# Altium PCB PCB1.PcbDoc (continued)
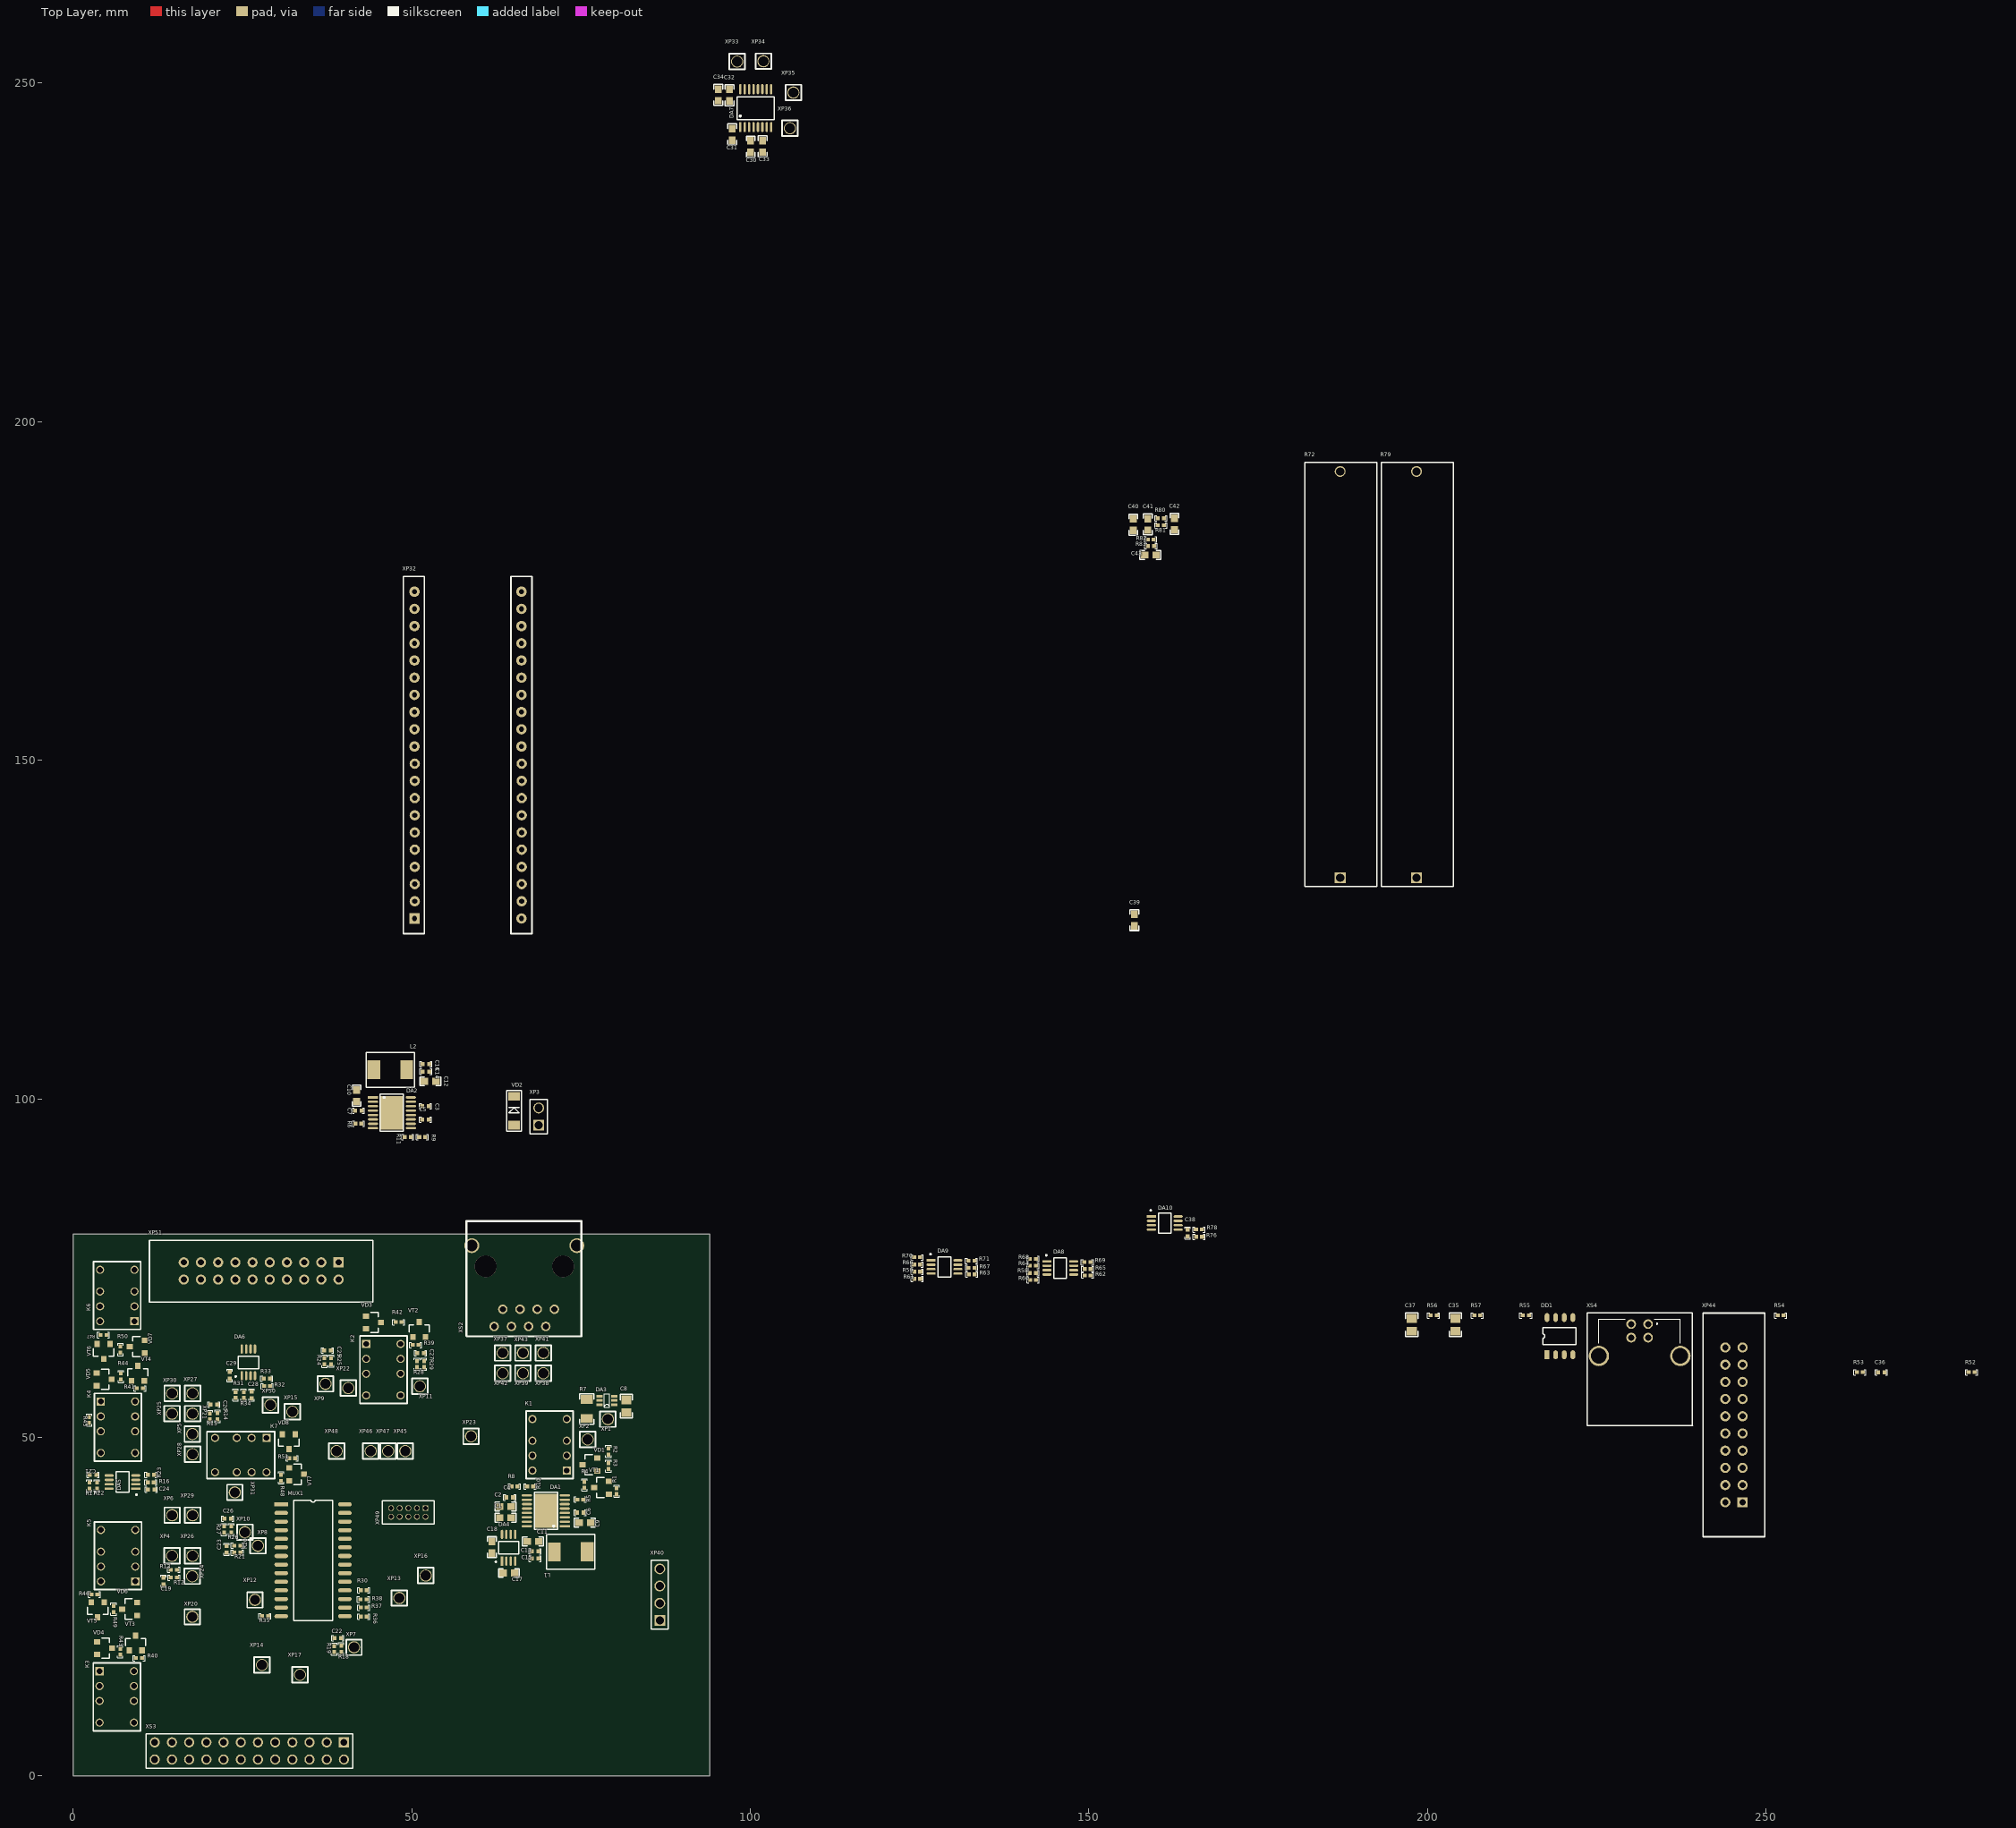
[diagram p0: Top Layer view]
## Components (designator, comment, footprint, x,y, rotation, side; value= is the part's Value field where it differs from the comment) (continued)
XP8 "PB" "POGO PIN P100-A2/B1" 27.277,34.003 r180 top (schematic designator XP7)
XP9 "PB" "POGO PIN P100-A2/B1" 37.263,57.919 r270 top (schematic designator XP8)
XP10 "PB" "POGO PIN P100-A2/B1" 25.356,35.995 r270 top (schematic designator XP9)
XP11 "PB" "POGO PIN P100-A2/B1" 51.197,57.54 r270 top (schematic designator XP10)
XP12 "PB" "POGO PIN P100-A2/B1" 26.85,26.007 r0 top (schematic designator XP11)
XP13 "PB" "POGO PIN P100-A2/B1" 48.17,26.275 r0 top (schematic designator XP12)
XP14 "PB" "POGO PIN P100-A2/B1" 27.881,16.4 r0 top (schematic designator XP13)
XP15 "PB" "POGO PIN P100-A2/B1" 32.371,53.777 r0 top (schematic designator XP14)
XP16 "PB" "POGO PIN P100-A2/B1" 52.077,29.596 r0 top (schematic designator XP15)
XP17 "PB" "POGO PIN P100-A2/B1" 33.491,14.95 r0 top (schematic designator XP16)
XP20 "PA" "POGO PIN P100-A2/B1" 17.6,23.5 r0 top
XP21 "PA" "POGO PIN P100-A2/B1" 17.621,53.5 r0 top
XP22 "PA" "POGO PIN P100-A2/B1" 40.625,57.275 r0 top (schematic designator XP19)
XP23 "PA" "POGO PIN P100-A2/B1" 58.763,50.169 r0 top (schematic designator XP18)
XP24 "PA" "POGO PIN P100-A2/B1" 17.579,29.5 r0 top (schematic designator XP22)
XP25 "PA" "POGO PIN P100-A2/B1" 14.6,53.5 r0 top (schematic designator XP23)
XP26 "PA" "POGO PIN P100-A2/B1" 17.621,32.5 r0 top (schematic designator XP24)
XP27 "PB" "pogo pin P100-A2/B1" 17.621,56.5 r0 top (schematic designator XP25)
XP28 "PA" "POGO PIN P100-A2/B1" 17.621,47.5 r0 top (schematic designator XP26)
XP29 "PA" "POGO PIN P100-A2/B1" 17.621,38.5 r0 top (schematic designator XP27)
XP30 "PB" "pogo pin P100-A2/B1" 14.621,56.5 r0 top (schematic designator XP28)
XP31 "PA" "POGO PIN P100-A2/B1" 23.875,41.875 r270 top (schematic designator XP29)
XP32 "STM32F411CEU6 Black Pill" "Black pill STM32F411CEU6" 50.4,126.635 r90 top (schematic designator XP30)
XP33 "PA" "POGO PIN P100-A2/B1" 98.05,253.175 r0 top (schematic designator XP31)
XP34 "PA" "POGO PIN P100-A2/B1" 101.925,253.225 r0 top (schematic designator XP32)
XP35 "PA" "POGO PIN P100-A2/B1" 106.35,248.6 r0 top (schematic designator XP33)
XP36 "PA" "POGO PIN P100-A2/B1" 105.85,243.325 r0 top (schematic designator XP34)
XP37 "PA" "POGO PIN P100-A2/B1" 63.42,62.472 r0 top (schematic designator XP35)
XP38 "PA" "POGO PIN P100-A2/B1" 69.42,59.472 r0 top (schematic designator XP36)
XP39 "PA" "POGO PIN P100-A2/B1" 66.42,59.472 r0 top (schematic designator XP37)
XP40 "PLS-4" PLS-4 86.625,26.775 r90 top (schematic designator XP47)
XP41 "PA" "POGO PIN P100-A2/B1" 69.42,62.472 r0 top (schematic designator XP38)
XP42 "PA" "POGO PIN P100-A2/B1" 63.42,59.472 r0 top (schematic designator XP39)
XP43 "PA" "POGO PIN P100-A2/B1" 66.42,62.472 r0 top (schematic designator XP40)
XP44 "BH-20" BH-20 245.249,51.849 r90 top (schematic designator XP49)
XP45 "PA" "POGO PIN P100-A2/B1" 49.051,47.975 r0 top (schematic designator XP41)
XP46 "PA" "POGO PIN P100-A2/B1" 43.95,47.975 r0 top (schematic designator XP42)
XP47 "PA" "POGO PIN P100-A2/B1" 46.511,47.975 r0 top (schematic designator XP43)
XP48 "PA" "POGO PIN P100-A2/B1" 38.891,47.975 r0 top (schematic designator XP44)
XP49 "20021111-00010T4LF" 20021111-00010T4LF 52.03,38.28 r180 top (schematic designator XP48)
XP50 "PB" "POGO PIN P100-A2/B1" 29.141,54.8 r0 top (schematic designator XP17)
XP51 "BH-20" BH-20 27.76,74.58 r180 top (schematic designator XP50)
XS2 "DS1126" DS1126 71.065,68.925 r180 top
XS3 "PLD-24" PLD-24 26.02,3.695 r180 top
XS4 "USB B" 292304-1 231.323,62.025 r0 top
К1 "HFD4/5" DIP-8 72.9,45.1 r180 top
К2 "HFD4/5" DIP-8 43.27,63.8 r0 top
К3 "HFD4/5" DIP-8 3.895,15.475 r0 top
К4 "HFD4/5" DIP-8 4.07,55.3 r0 top
К5 "HFD4/5" DIP-8 9.177,28.725 r180 top
К6 "HFD4/5" DIP-8 9.05,67.15 r180 top
К7 "HFD4/5" DIP-8 28.55,49.93 r270 top

## Footprints (in the part's own frame and the unit in brackets; to place one, negate y for a bottom-side part, rotate by r counter-clockwise, add the part's x,y. Pads: shape width x height; smd on the part's side, far side on the other; paste and mask are expansions set on the pad)
0402C [mm]
  rect 0.6x0.6 smd: 1(-0.5,0) 2(0.5,0)
  silkscreen extent -0.9,-0.4 0.9,0.4, body extent -0.73,-0.25 0.73,0.25, height 0.51
0603C [mm]
  rect 1.1x1 smd: 1(-0.85,0) 2(0.85,0)
  silkscreen extent -1.55,-0.65 1.55,0.65, body extent -1.23,-0.42 1.23,0.38, height 0.8
0805C [mm]
  rect 1.3x1.5 smd: 1(-0.95,0) 2(0.95,0)
  silkscreen extent -1.75,-0.9 1.75,0.9, body extent -1.35,-0.63 1.45,0.62, height 0.8
292304-1 [mm]
  round 1.428 hole 0.92: 1(1.25,4.71) 2(-1.25,4.71) 3(-1.25,2.71) 4(1.25,2.71)
  round 3 hole 2.3: 5(-6.02,0) 6(6.02,0)
  silkscreen extent -7.75,-10.29 7.87,6.35, body extent -7.27,-10.25 7.32,6.25, height 11.28
20021111-00010T4LF [mm]
  rect 0.85x0.85 hole 0.65: 1(0,-1.27)
  round 0.85 hole 0.65: 2(0,0) 3(1.27,-1.27) 4(1.27,0) 5(2.54,-1.27) 6(2.54,0) 7(3.81,-1.27) 8(3.81,0) 9(5.08,-1.27) 10(5.08,0)
  silkscreen extent -1.27,-2.35 6.35,1.08
BH-20 [mm]
  rect 1.5x1.5 hole 0.9: 1(-11.43,-1.27)
  round 1.5 hole 0.9: 2(-11.43,1.27) 3(-8.89,-1.27) 4(-8.89,1.27) 5(-6.35,-1.27) 6(-6.35,1.27) 7(-3.81,-1.27) 8(-3.81,1.27) 9(-1.27,-1.27) 10(-1.27,1.27) 11(1.27,-1.27) 12(1.27,1.27) 13(3.81,-1.27) 14(3.81,1.27) 15(6.35,-1.27) 16(6.35,1.27) 17(8.89,-1.27) 18(8.89,1.27) 19(11.43,-1.27) 20(11.43,1.27)
  silkscreen extent -16.52,-4.54 16.53,4.57, body extent -16.49,-4.55 16.53,4.55, height 8.75
"Black pill STM32F411CEU6" [mil]
  rect 60x60 hole 30: 1(0,0)
  round 60 hole 30: 1(0,-622.05) 2(100,-1.57) 2(100,-623.62) 3(200,-1.57) 3(200,-623.62) 4(300,-1.57) 4(300,-623.62) 5(400,-1.57) 5(400,-623.62) 6(500,-1.57) 6(500,-623.62) 7(600,-623.62) 7(600,-1.57) 8(700,-623.62) 8(700,-1.57) 9(800,-623.62) 9(800,-1.57) 10(900,-623.62) 10(900,-1.57) 11(1000,-622.05) 11(1000,0) 12(1100,-622.05) 12(1100,0) 13(1200,-622.05) 13(1200,0) 14(1300,-622.05) 14(1300,0) 15(1400,-622.05) 15(1400,0) 16(1500,-622.05) 16(1500,0) 17(1600,-622.05) 17(1600,0) 18(1700,-622.05) 18(1700,0) 19(1800,-622.05) 19(1800,0) 20(1900,-622.05) 20(1900,0)
  silkscreen extent -89,-683 1989,65
DIP-8 [mm]
  rect 1.2x1.2 hole 0.85: 1(0,0)
  round 1.2 hole 0.85: 2(0,-2.2) 3(0,-4.4) 4(0,-7.6) 5(5.08,-7.6) 6(5.08,-4.4) 7(5.08,-2.2) 8(5.08,0)
  silkscreen extent -0.92,-8.8 6.02,1.2, body extent -0.47,-8.83 5.53,1.18, height 5.66
DS1126 [mm] "RJ-45 Sheilded Connector"
  round 1.4 hole 0.9: 1(0,0) 2(1.27,2.54) 3(2.54,0) 4(3.81,2.54) 5(5.08,0) 6(6.35,2.54) 7(7.62,0) 8(8.89,2.54)
  round 2.2 hole 1.7: 9(-3.305,-9.4) 10(12.195,-9.4)
  round 3.25 hole 3.25 unplated: 11(10.16,-6.35) 12(-1.27,-6.35)
  silkscreen extent -4,-13 13,4
IHLP2020CZ-01 [mm]
  rect 1.905x2.79 smd: 1(0,0) 2(4.851,0.025)
  silkscreen extent -1.16,-2.59 6,2.59, body extent -0.25,-2.57 5.2,2.58, height 1.95
MSOP-8 [mm] "8-Lead Mini Small Outline Package [MSOP]"
  rect 0.35x1.35 smd: 1(0,0)
  oval 0.35x1.35 smd: 2(0.65,0) 3(1.3,0) 4(1.95,0) 5(1.95,3.95) 6(1.3,3.95) 7(0.65,3.95) 8(0,3.95)
  silkscreen extent -0.97,-0.17 2.5,2.9, body extent -0.5,-0.45 2.5,4.45, height 0.95
PLD-24 [mm]
  rect 1.5x1.5 hole 1: 1(-13.97,-1.27)
  round 1.5 hole 1: 2(-13.97,1.27) 3(-11.43,-1.27) 4(-11.43,1.27) 5(-8.89,-1.27) 6(-8.89,1.27) 7(-6.35,-1.27) 8(-6.35,1.27) 9(-3.81,-1.27) 10(-3.81,1.27) 11(-1.27,-1.27) 12(-1.27,1.27) 13(1.27,-1.27) 14(1.27,1.27) 15(3.81,-1.27) 16(3.81,1.27) 17(6.35,-1.27) 18(6.35,1.27) 19(8.89,-1.27) 20(8.89,1.27) 21(11.43,-1.27) 22(11.43,1.27) 23(13.97,-1.27) 24(13.97,1.27)
  silkscreen extent -15.24,-2.54 15.24,2.54, body extent -15.24,-2.54 15.24,2.54, height 8.6
PLS-2 [mm]
  rect 1.6x1.6 hole 1.2: 1(-1.27,0)
  round 1.6 hole 1.2: 2(1.27,0)
  silkscreen extent -2.54,-1.27 2.54,1.27, body extent -2.54,-1.27 2.54,1.27, height 8.54
PLS-4 [mm]
  rect 1.6x1.6 hole 1.2: 1(-3.81,0)
  round 1.6 hole 1.2: 2(-1.27,0) 3(1.27,0) 4(3.81,0)
  silkscreen extent -5.08,-1.27 5.08,1.27, body extent -5.08,-1.27 5.08,1.27, height 9.2
"POGO PIN P100-A2/B1" [mm]
  round 1.8 hole 1.5: 1(0,0)
  silkscreen extent -1.15,-1.15 1.15,1.15, body extent -0.69,-0.7 0.7,0.7, height 33.35
"pogo pin P100-A2/B1" [mm]
  round 1.8 hole 1.5: 1(0,0)
  silkscreen extent -1.15,-1.15 1.15,1.15, body extent -0.69,-0.7 0.7,0.7, height 33.35
R0402 [mm] "Resistor 0402"
  rect 0.6x0.55 smd: 1(-0.45,0) 2(0.45,0)
  silkscreen extent -0.9,-0.4 0.9,0.4, body extent -0.73,-0.25 0.73,0.25, height 0.51
R1206 [mm]
  rect 1.3x1.8 smd: 1(-1.4,0) 2(1.4,0)
  silkscreen extent -2.22,-1.05 2.25,1.05, body extent -2.27,-0.8 2.27,0.8, height 1.25
SC-70-6 [mm]
  rect 0.4x0.9 smd: 1(-0.65,-1.1) 2(0,-1.1) 3(0.65,-1.1) 4(0.65,1.1) 5(0,1.1) 6(-0.65,1.1)
  silkscreen extent -1,-0.4 1,0.4, body extent -1,-1.05 1,1.05, height 0.92
SMA-FL [mm]
  rect 1.3x1.76 smd: 1(-2.13,0) 2(2.13,0)
  silkscreen extent -3,-1.1 3,1.1, body extent -2.55,-1.3 2.55,1.3, height 1.2
SOIC-28 [mm]
  rect 2x0.6 smd: 1(-4.7,8.255)
  oval 2x0.6 smd: 2(-4.7,6.985) 3(-4.7,5.715) 4(-4.7,4.445) 5(-4.7,3.175) 6(-4.7,1.905) 7(-4.7,0.635) 8(-4.7,-0.635) 9(-4.7,-1.905) 10(-4.7,-3.175) 11(-4.7,-4.445) 12(-4.7,-5.715) 13(-4.7,-6.985) 14(-4.7,-8.255) 15(4.7,-8.255) 16(4.7,-6.985) 17(4.7,-5.715) 18(4.7,-4.445) 19(4.7,-3.175) 20(4.7,-1.905) 21(4.7,-0.635) 22(4.7,0.635) 23(4.7,1.905) 24(4.7,3.175) 25(4.7,4.445) 26(4.7,5.715) 27(4.7,6.985) 28(4.7,8.255)
  silkscreen extent -2.86,-8.89 2.87,8.89, body extent -5.33,-9.07 5.28,9.03, height 2.61
SOP8 [mm]
  rect 1.3x0.7 smd: 1(0,0)
  oval 1.3x0.7 smd: 2(0,-1.27) 3(0,-2.54) 4(0,-3.81) 5(5.5,-3.81) 6(5.5,-2.54) 7(5.5,-1.27) 8(5.5,0)
  silkscreen extent 1.48,-4.29 4.02,0.64, body extent -0.24,-4.27 5.74,0.62, height 1.57
SOT-23-3 [mm]
  rect 0.9x0.8 smd: 1(-1.1,0.95) 2(-1.1,-0.95) 3(1.1,0)
  silkscreen extent -0.4,-1.5 0.7,1.5, body extent -1.4,-1.45 1.4,1.45, height 1.3
SQP-10 [mm]
  rect 1.6x1.6 hole 1.2: 1(-1.27,0)
  round 1.6 hole 1.2: 2(58.725,0)
  silkscreen extent -2.54,-5.43 60.08,5.2, body extent -1.62,-4.82 59.18,4.68, height 9
TSSOP-16 [mm] "16-Lead Thin Shrink Small Outline Package [TSSOP]"
  rect 0.35x1.5 smd: 1(-2.275,-2.8)
  oval 0.35x1.5 smd: 2(-1.625,-2.8) 3(-0.975,-2.8) 4(-0.325,-2.8) 5(0.325,-2.8) 6(0.975,-2.8) 7(1.625,-2.8) 8(2.275,-2.8) 9(2.275,2.8) 10(1.625,2.8) 11(0.975,2.8) 12(0.325,2.8) 13(-0.325,2.8) 14(-0.975,2.8) 15(-1.625,2.8) 16(-2.275,2.8)
  silkscreen extent -2.77,-1.73 2.73,1.7, body extent -2.5,-3.2 2.5,3.2, height 1.1
TSSOP-17 [mm] "16+1-Lead Thin Shrink Small Outline Package [TSSOP]"
  rect 0.35x1.5 smd: 1(-2.275,-2.8)
  oval 0.35x1.5 smd: 2(-1.625,-2.8) 3(-0.975,-2.8) 4(-0.325,-2.8) 5(0.325,-2.8) 6(0.975,-2.8) 7(1.625,-2.8) 8(2.275,-2.8) 9(2.275,2.8) 10(1.625,2.8) 11(0.975,2.8) 12(0.325,2.8) 13(-0.325,2.8) 14(-0.975,2.8) 15(-1.625,2.8) 16(-2.275,2.8)
  rect 5x3.4 smd: 17(0,0)
  silkscreen extent -2.77,-1.73 2.73,1.7, body extent -2.5,-3.2 2.5,3.2, height 1.1

## Part data
C1 C2: library part "C0603-22uF 10% 50V", "C0603-22uF 10% 50V", Part Number="SMD CAP CER 2.2uF ±10% 50V X7R 0603", Mount=MOUNT, MountType=SMD, Pkg=0603, Solder_Amount=2
C3 C13 C14 C15 C16 C19 C20 C22 C23 C25 C26 C27 C38: library part "C0402-100nF 10% 50V", "C0402-100nF 10% 50V", Part Number="SMD CAP CER 100nF ±10% 50V X5R 0402", Added_by=Rutel@Mail.ru, Created_at=27/03/2020, Mount=MOUNT, MountType=SMD, Pkg=0402, Solder_Amount=2
C4 C5 C21 C24 C28 C29: library part "C0402-10nF 10% 50V", "C0402-10nF 10% 50V", Part Number="SMD CAP CER 10nF ±10% 50V X5R 0402", Added_by=Rutel@Mail.ru, Created_at=27/03/2020, Mount=MOUNT, MountType=SMD, Pkg=0402, Solder_Amount=2
C6 C7 C36: library part "C0402-10UF 10% 10V", "C0402-10UF 10% 10V", Part Number="SMD CAP CER 10UF ±10% 10V X5R 0402", Added_by=Rutel@Mail.ru, Created_at=27/03/2020, Mount=MOUNT, MountType=SMD, Pkg=0402, Solder_Amount=2
C8 C35 C37: library part "C0805-0.1UF 10% 50V", "C0805 0.1UF 10% 50V", Part Number="SMD CAP CER 0.1UF ±10% 50V X7R 0805", Added_by=anton@teslatec.ru, Created_at=10/01/2023, Mount=MOUNT, MountType=SMD, Pkg=0805, Solder_Amount=2
C9 C10 C17 C18 C39 C40 C41 C42 C43: library part "C0603-1uF 10% 50V", "C0603-1uF 10% 50V", Part Number="SMD CAP CER 1uF ±10% 50V X7R 0603", Added_by=grebelny_av@teslatec.ru, Created_at=22/06/2021, Mount=MOUNT, MountType=SMD, Pkg=0603, Solder_Amount=2
C11 C12: library part "C1210-100UF 10% 16V", "C1210-100UF 10% 16V", Part Number="SMD CAP CER 100UF ±10% 16V X7R 1210", Mount=MOUNT, MountType=SMD, Pkg=1210, Solder_Amount=2
C30 C31 C32 C33 C34: library part "C0603-4.7UF 10% 25V", "C0603-4.7UF 10% 25V", Part Number="SMD CAP CER 4.7UF ±10% 25V X5R 0603", Mount=MOUNT, MountType=SMD, Pkg=0603, Solder_Amount=2
DA1 DA2: "LM43603PWPR 3.5-V to 36-V, 3-A Synchronous Step-Down Voltage Converter", Added_by=irdolgopolowa@yandex.ru, Created_at=29/10/24, Mount=MOUNT, MountType=SMD, Part Number=LM43603PWPR, Pkg="MSE 16", Solder_Amount=17
DA3: "26V, 14kHz, bi-directional, package SC70-6, -40 to 125", Added_by=ridel_av@teslatec.ru, Created_at=02/02/2022, Mount=MOUNT, MountType=SMD, Part Number=INA210AIDCKT, Pkg=SC70-6, Solder_Amount=6
DA4: "5V 500 mA, Low Dropout, / CMOS Linear Regulator", Added_by=irdolgopolowa@yandex.ru, Created_at=29/10/24, Mount=MOUNT, MountType=SMD, Part Number=ADP3333ARMZ-5, Pkg="8-Lead MSOP", Solder_Amount=8
DA5 DA6 DA8 DA9 DA10: "High Performance, 145 MHz FastFET Op Amps", Added_by=irdolgopolowa@yandex.ru, Created_at=29/10/24, Mount=MOUNT, MountType=SMD, Part Number=AD8066ARMZ, Pkg=MSOP-8, Solder_Amount=8
DA7: "Low Power, 3.3 V, RS-232 / Line Drivers/Receivers", Added_by=irdolgopolowa@yandex.ru, Created_at=29/10/24, Mount=MOUNT, MountType=SMD, Part Number=ADM3202ARU, Pkg=TSSOP-16, Solder_Amount=16
DD1: "USB to Serial Port Chip CH340, SOP-8", Added_by=irdolgopolowa@yandex.ru, Created_at=29/10/24, Mount=MOUNT, MountStyle=SMD, Part Number=CH340N, Pkg=SOIC-8
L1 L2: "FIXED IND 3.3UH 3.3A 79 MOHM SMD", Added_by=Rutel@teslatec.ru, Created_at=14/05/2020, Mount=MOUNT, MountType=SMD, Part Number=IHLP2020BZER3R3M01, Pkg=IHLP-2020BZ-01, Solder_Amount=2
MUX1: "MPC506AU, Ch: 16, SO28", Package=SOIC, Part Number=MPC506A, Added_by=irdolgopolowa@yandex.ru, Created_at=29/10/2024, Mount=Mount, MountType=SMD/SMT, Solder Amount=28
R1 R39 R40 R41 R46 R47 R48: library part R0402-1K, "Resistor SMD 1K 1% 0402", Part Number="SMD RES 1 KOHM 1% ±100ppm/°C 0402", Added_by=irdolgopolowa@yandex.ru, Created_at=29/10/24, Mount=MOUNT, MountType=SMD, Pkg=0402, Solder_Amount=2
R2 R12 R14 R16 R17 R18 R20 R22 R24 R26 R28 R31 R32 R33 R80 R82: library part R0402-100K, "Resistor SMD 100K 1% 0402", Part Number="SMD RES 100 KOHM 1% ±100ppm/°C 0402", Added_by=Rutel@teslatec.ru, Created_at=21/04/2020, Mount=MOUNT, MountType=SMD, Pkg=0402, Solder_Amount=2
R3 R76: library part R0402-20K, "Resistor SMD 20K 1% 0402", Part Number="SMD RES 20 KOHM 1% ±100ppm/°C 0402", Added_by=Rutel@teslatec.ru, Created_at=21/04/2020, Mount=MOUNT, MountType=SMD, Pkg=0402, Solder_Amount=2
R4 R42 R43 R44 R49 R50 R51: library part R0402-24R, "Resistor SMD 24R 1% 0402", Part Number="SMD RES 24R OHM 1% ±100ppm/°C 0402", Added_by=Rutel@teslatec.ru, Created_at=21/04/2020, Mount=MOUNT, MountType=SMD, Pkg=0402, Solder_Amount=2
R5: library part R0402-18.2K, "Resistor SMD 18.2K 1% 0402", Part Number="SMD RES 18.2 KOHM 1% ±100ppm/°C 0402", Added_by=Rutel@teslatec.ru, Created_at=21/04/2020, Mount=MOUNT, MountType=SMD, Pkg=0402, Solder_Amount=2
R6 R23 R30 R34 R35 R36 R37 R38 R45 R52 R53 R54 R58 R59 R60 R61 R62 R63 R64 R65 R66 R67 R68 R69 R70 R71 R73 R74 R75 R77 R78: library part R0402-10K, "Resistor SMD 10K 1% 0402", Part Number="SMD RES 10 KOHM 1% ±100ppm/°C 0402", Added_by=Rutel@teslatec.ru, Created_at=21/04/2020, Mount=MOUNT, MountType=SMD, Pkg=0402, Solder_Amount=2
R7: library part R1206-0.018R, "Resistor SMD 0.018R 1% 1206", Part Number="TL2BR018F SMD RES 0.018 OHM 1% ±75ppm/°C 1206", Added_by=irdolgopolowa@yandex.ru, Created_at=07/11/2024, Mount=MOUNT, MountType=SMD, Pkg=1206, Solder_Amount=2
R8: library part R0402-8.2K, "Resistor SMD 8.2K 1% 0402", Part Number="SMD RES 8.2 KOHM 1% ±100ppm/°C 0402", Added_by=Rutel@teslatec.ru, Created_at=21/04/2020, Mount=MOUNT, MountType=SMD, Pkg=0402, Solder_Amount=2
R9: library part R0402-1.2K, "Resistor SMD 1.2K 1% 0402", Part Number="SMD RES 1.2 KOHM 1% ±100ppm/°C 0402", Added_by=Rutel@teslatec.ru, Created_at=21/04/2020, Mount=MOUNT, MountType=SMD, Pkg=0402, Solder_Amount=2
R10: library part R0402-40.2K, "Resistor SMD 40.2K 1% 0402", Part Number="SMD RES 40.2K KOHM 1% ±100ppm/°C 0402", Added_by=ridel_av@teslatec.ru, Created_at=15/12/2021, Mount=MOUNT, MountType=SMD, Pkg=0402, Solder_Amount=2
R11: library part R0402-2.7K, "Resistor SMD 2.7K 1% 0402", Part Number="SMD RES 2.7 KOHM 1% ±100ppm/°C 0402", Added_by=Rutel@teslatec.ru, Created_at=21/04/2020, Mount=MOUNT, MountType=SMD, Pkg=0402, Solder_Amount=2
R13 R15 R19 R21 R25 R27 R29 R81 R83: library part R0402-56K, "Resistor SMD 56K 1% 0402", Part Number="SMD RES 56K KOHM 1% ±100ppm/°C 0402", Added_by=ridel_av@teslatec.ru, Created_at=15/12/2021, Mount=MOUNT, MountType=SMD, Pkg=0402, Solder_Amount=2
R55 R56 R57: library part R0402-33R, "Resistor SMD 33R 1% 0402", Part Number="SMD RES 33R OHM 1% ±100ppm/°C 0402", Added_by=Rutel@teslatec.ru, Created_at=21/04/2020, Mount=MOUNT, MountType=SMD, Pkg=0402, Solder_Amount=2
R72 R79: library part SQP10AJB-3R, "Resistor SMD 3R 1% 0402", Part Number="SMD RES 3R 1% ±300ppm/°C 0402", Added_by=ridel_av@teslatec.ru, Created_at=15/12/2021, Mount=MOUNT, MountType=TH, Pkg=SQP-10, Solder_Amount=2
VD1 VD3 VD4 VD5 VD6 VD7 VD8: "BAV99, UMW, 70В, 200мА", Added_by=andrew@teslatec.ru, Created_at=29/06/2020, Mount=MOUNT, MountType=SMD, Part Number=BAV99, Pkg=SOT-23-3, Solder_Amount=3
VD2: "1.5 A, 40 V Schottky Rectifier", Added_by=irdolgopolowa@yandex.ru, Created_at=29.10.24, Mount=MOUNT, MountType=SMD, Part Number=MBRAF1540T3G, Pkg=SMA-FL, Solder_Amount=2
VT1 VT2 VT3 VT4 VT5 VT6 VT7: "N-Channel Logic Level Enhancement Mode Field Effect Transistor", Added_by=ma_lubushkin@teslatec.ru, Created_at=03/12/2019, Mount=MOUNT, MountType=SMD, Part Number=BSS138, Pkg=SOT-23, Solder_Amount=3
XP1 XP2 XP4 XP5 XP6 XP7 XP20 XP21 XP22 XP23 XP24 XP25 XP26 XP28 XP29 XP31 XP33 XP34 XP35 XP36 XP37 XP38 XP39 XP41 XP42 XP43 XP45 XP46 XP47 XP48: library part "P100-A2 / P100-A", "Pogo pin, 33.35x1.36", Added_by=irdolgopolowa@yandex.ru, Created_at=29/10/24, Mount=MOUNT, MountType=THM, Part Number="P100-A2 / P100-A"
XP3 XP40: "HEADER 2.54mm", Added_by=irdolgopolowa@yandex.ru, Created_at=29/10/24, Mount=MOUNT, MountType=THM
  XP3: Part Number=PLS-2, Pkg=PLS-2, Solder_Amount=2
  XP40: Cable/Wire="МГТФ 0,35 кв.мм ГОСТ", Mating Part=BLS-4, Mating Terminals="BL-T (DS-1071)", Part Number=PLS-4, Pkg=PLS-4, Solder_Amount=4
XP8 XP9 XP10 XP11 XP12 XP13 XP14 XP15 XP16 XP17 XP27 XP30 XP50: library part P100-B1, "Pogo pin, 33.35x1.36", Added_by=irdolgopolowa@yandex.ru, Created_at=29/10/24, Mount=MOUNT, MountType=THM, Part Number=P100-B1
XP32: library part "STM32F411CEU6 Black pil", "STM32F411CEU6 Black pil", Added_by=irdolgopolowa@yandex.ru, Created_at=29/10/24, Mount=Mount, MountStyle=THM, Solder_Amount=20
XP44 XP51: library part "BH-20 (DS1013-20S)", "BH-20 (DS1013-20S) (IDC-20MS), 20pin 2.54mm", PartNumber=DS1013-20SSiB1-B-0, Added_by=irdolgopolowa@yandex.ru, Created_at=30/10/24, Mount=MOUNT, MountType=SMD, SolderAmount=20
XP49: "20021111-00010T4LF. pin 10", Added_by=irdolgopolowa@yandex.ru, Created_at=29/10/24, Mount=MOUNT, MountType=THM, Part Number=20021111-00010T4LF, Pkg=20021111-00010T4LF, Solder_Amount=10
XS2: "Ethernet PCB 8/8 RJ45", Added_by=irdolgopolowa@yandex.ru, Created_at=29/10/24, Mount=MOUNT, MountType=THM, Part Number=DS1126, Pkg=RJ-45, Solder_Amount=12
XS3: "Pin Header Pitch 2.54mm", Added_by=andrew@teslatec.ru, Cable/Wire=-, Created_at=1/09/2020, Mating Part=-, Mating Terminals=-, Mount=MOUNT, MountType=THM, Part Number=PLD-24, Pkg="PLD-24 2.54mm", Solder_Amount=24
XS4: library part 292304-1, "ConnUSB 2.0 Type B", Mount=MOUNT, Mount Type=SMD, Part Number=292304-1, Pkg="292304-1 (THM-9)", Solder Amount=9
К1 К2 К3 К4 К5 К6 К7: "HFD4/5 (IM03TS) (1-1462037-8), 5VDC, 2A/250VAC DPDT", Part Number=HFD4/5SR, Added_by=irdolgopolowa@yandex.ru, Created_at=30/10/24, Mount=MOUNT, MountType=THM, Pkg=DIP-8, Solder_Amount=8

## Free pads (board coordinates)
  round 0.113 on Mech14: 1(13.92,32.5) 1(13.92,35.5) 1(13.92,38.5) 1(13.92,41.5) 1(13.92,44.5) 1(13.92,47.5) 1(13.92,50.5) 1(13.92,53.5) 1(13.92,56.5) 1(13.925,26.475) 1(13.925,26.475) 1(13.941,32.5) 1(13.941,35.5) 1(13.941,38.5) 1(13.941,41.5) 1(13.941,44.5) 1(13.941,47.5) 1(13.941,50.5) 1(13.941,53.5) 1(13.941,56.5) 1(15.28,26.5) 1(15.28,32.5) 1(15.28,35.5) 1(15.28,38.5) 1(15.28,41.5) 1(15.28,44.5) 1(15.28,47.5) 1(15.28,50.5) 1(15.28,53.5) 1(15.28,56.5) 1(15.301,26.5) 1(15.301,32.5) 1(15.301,35.5) 1(15.301,38.5) 1(15.301,41.5) 1(15.301,44.5) 1(15.301,47.5) 1(15.301,50.5) 1(15.301,53.5) 1(15.301,56.5) 1(16.899,23.5) 1(16.899,26.5) 1(16.899,26.5) 1(16.899,29.5) 1(16.92,23.5) 1(16.92,26.5) 1(16.92,26.5) 1(16.92,29.5) 1(16.92,29.5) 1(16.92,32.5) 1(16.92,38.5) 1(16.92,41.5) 1(16.92,47.5) 1(16.92,53.5) 1(16.92,56.5) 1(16.921,50.501) 1(16.941,29.5) 1(16.941,32.5) 1(16.941,38.5) 1(16.941,41.5) 1(16.941,47.5) 1(16.941,53.5) 1(16.941,56.5) 1(16.941,50.5) 1(18.259,23.5) 1(18.259,26.5) 1(18.259,26.5) 1(18.259,29.5) 1(18.28,23.5) 1(18.28,26.5) 1(18.28,26.5) 1(18.28,29.5) 1(18.28,29.5) 1(18.28,32.5) 1(18.28,38.5) 1(18.28,41.5) 1(18.28,47.5) 1(18.28,53.5) 1(18.28,56.5) 1(18.281,50.501) 1(18.301,29.5) 1(18.301,32.5) 1(18.301,38.5) 1(18.301,41.5) 1(18.301,47.5) 1(18.301,53.5) 1(18.301,56.5) 1(18.301,50.5) 1(26.577,34.003) 1(26.597,34.003) 1(27.937,34.003) 1(27.957,34.003) 1(28.441,54.8) 1(28.461,54.8) 1(29.801,54.8) 1(29.821,54.8) 1(31.67,53.778) 1(31.691,53.777) 1(33.03,53.778) 1(33.051,53.777) 1(38.19,45.435) 1(38.19,47.975) 1(38.211,45.435) 1(38.211,47.975) 1(39.55,45.435) 1(39.55,47.975) 1(39.571,45.435) 1(39.571,47.975) 1(40.765,19) 1(40.786,19) 1(42.125,19) 1(42.146,19) 1(43.27,45.435) 1(43.27,47.975) 1(43.291,45.435) 1(43.291,47.975) 1(43.765,16) 1(43.765,19) 1(43.786,16) 1(43.786,19) 1(44.63,45.435) 1(44.63,47.975) 1(44.651,45.435) 1(44.651,47.975) 1(45.125,16) 1(45.125,19) 1(45.146,16) 1(45.146,19) 1(45.81,47.975) 1(45.831,47.975) 1(46.765,16) 1(46.765,19) 1(46.786,16) 1(46.786,19) 1(47.17,47.975) 1(47.191,47.975) 1(48.125,16) 1(48.125,19) 1(48.146,16) 1(48.146,19) 1(48.35,47.975) 1(48.371,47.975) 1(49.71,47.975) 1(49.731,47.975) 1(49.765,19) 1(49.786,19) 1(51.125,19) 1(51.146,19) 1(51.377,29.596) 1(51.397,29.596) 1(52.737,29.596) 1(52.757,29.596) 1(56.37,47.8) 1(56.391,47.8) 1(57.73,47.8) 1(57.751,47.8) 1(62.72,59.472) 1(62.72,62.472) 1(62.74,59.472) 1(62.74,62.472) 1(64.08,59.472) 1(64.08,62.472) 1(64.1,59.472) 1(64.1,62.472) 1(65.72,59.472) 1(65.72,62.472) 1(65.74,59.472) 1(65.74,62.472) 1(67.08,59.472) 1(67.08,62.472) 1(67.1,59.472) 1(67.1,62.472) 1(68.72,59.472) 1(68.72,62.472) 1(68.74,59.472) 1(68.74,62.472) 1(70.08,59.472) 1(70.08,62.472) 1(70.1,59.472) 1(70.1,62.472) 1(75.27,49.7) 1(75.291,49.7) 1(76.63,49.7) 1(76.651,49.7) 1(78.27,52.7) 1(78.291,52.7) 1(78.97,23.36) 1(78.97,25.9) 1(78.97,28.44) 1(78.97,30.98) 1(78.991,23.36) 1(78.991,25.9) 1(78.991,28.44) 1(78.991,30.98) 1(79.63,52.7) 1(79.651,52.7) 1(80.33,23.36) 1(80.33,25.9) 1(80.33,28.44) 1(80.33,30.98) 1(80.351,23.36) 1(80.351,25.9) 1(80.351,28.44) 1(80.351,30.98)
  round 1.373 on Mech14: 1(14.6,26.5) 1(14.6,32.5) 1(14.6,35.5) 1(14.6,38.5) 1(14.6,41.5) 1(14.6,44.5) 1(14.6,47.5) 1(14.6,50.5) 1(14.6,53.5) 1(14.6,56.5) 1(14.621,26.5) 1(14.621,32.5) 1(14.621,35.5) 1(14.621,38.5) 1(14.621,41.5) 1(14.621,44.5) 1(14.621,47.5) 1(14.621,50.5) 1(14.621,53.5) 1(14.621,56.5) 1(17.579,23.5) 1(17.579,26.5) 1(17.579,26.5) 1(17.579,29.5) 1(17.6,23.5) 1(17.6,26.5) 1(17.6,26.5) 1(17.6,29.5) 1(17.6,29.5) 1(17.6,32.5) 1(17.6,38.5) 1(17.6,41.5) 1(17.6,47.5) 1(17.6,53.5) 1(17.6,56.5) 1(17.601,50.501) 1(17.621,29.5) 1(17.621,32.5) 1(17.621,38.5) 1(17.621,41.5) 1(17.621,47.5) 1(17.621,53.5) 1(17.621,56.5) 1(17.621,35.5) 1(17.621,50.5) 1(27.257,34.003) 1(27.277,34.003) 1(29.121,54.8) 1(29.141,54.8) 1(32.35,53.778) 1(32.371,53.777) 1(33.491,14.95) 1(38.87,45.435) 1(38.87,47.975) 1(38.891,45.435) 1(38.891,47.975) 1(41.445,19) 1(41.466,19) 1(43.95,45.435) 1(43.95,47.975) 1(43.971,45.435) 1(43.971,47.975) 1(44.445,16) 1(44.445,19) 1(44.466,16) 1(44.466,19) 1(46.49,47.975) 1(46.511,47.975) 1(47.445,16) 1(47.445,19) 1(47.466,16) 1(47.466,19) 1(49.03,47.975) 1(49.051,47.975) 1(50.445,19) 1(50.466,19) 1(52.057,29.596) 1(52.077,29.596) 1(57.05,47.8) 1(57.071,47.8) 1(63.4,59.472) 1(63.4,62.472) 1(63.42,59.472) 1(63.42,62.472) 1(66.4,59.472) 1(66.4,62.472) 1(66.42,59.472) 1(66.42,62.472) 1(69.4,59.472) 1(69.4,62.472) 1(69.42,59.472) 1(69.42,62.472) 1(75.95,49.7) 1(75.971,49.7) 1(78.95,52.7) 1(78.971,52.7) 1(79.65,23.36) 1(79.65,25.9) 1(79.65,28.44) 1(79.65,30.98) 1(79.671,23.36) 1(79.671,25.9) 1(79.671,28.44) 1(79.671,30.98)
  round 0.113 on Mech13: 1(14.75,16.5) 1(14.75,63.422) 1(17.75,16.5) 1(17.75,63.422) 1(76.1,16.5) 1(76.1,63.52) 1(79.1,16.5) 1(79.1,63.52)
  round 3.013 on Mech13: 1(16.25,16.5) 1(16.25,63.422) 1(77.6,16.5) 1(77.6,63.52)
  round 0.113 on Mech15: 1(24.67,35.995) 1(24.676,35.995) 1(26.03,35.995) 1(26.036,35.995) 1(26.17,26.007) 1(26.176,26.007) 1(27.201,16.4) 1(27.207,16.4) 1(27.53,26.007) 1(27.536,26.007) 1(28.561,16.4) 1(28.567,16.4) 1(36.577,57.919) 1(36.583,57.919) 1(37.937,57.919) 1(37.943,57.919) 1(50.512,57.54) 1(50.517,57.54) 1(51.872,57.54) 1(51.877,57.54)
  round 1.373 on Mech15: 1(25.35,35.995) 1(25.356,35.995) 1(26.85,26.007) 1(26.856,26.007) 1(27.881,16.4) 1(27.887,16.4) 1(37.257,57.919) 1(37.263,57.919) 1(40.625,57.275) 1(51.192,57.54) 1(51.197,57.54) 1(58.763,50.169)
  round 0.7 on Mech14: 1(48.17,26.275)

## Nets (pads, with @x,y where several pads share a name; then routed paths per layer and width w, separated by ;. In a path a pad name is that pad's centre, name@x,y a point inside that pad or via, vN(x,y) a via of type N, cw(c..) or ccw(c..) an arc to the next point about the centre after c; other vN are vias at no path point)
+1.2V: MUX1.9 XP16.1
+1.8V: MUX1.8 XP14.1
+1.8VA: MUX1.10 XP17.1 XP51.7
+2.5V: MUX1.6 XP13.1
+2.5V_offset: MUX1.7 XP12.1 XP51.5
+2.048V: MUX1.5 XP15.1
+3.3V: C12.2 C14.2 C16.2 C35.2 C36.2 DA2.5 DD1.5 L2.2 R11.2 XP40.1 XP44.1 XP49.4 XP49.6
+5.5VAA_double: R26.1 XP10.1 XP51.3
+5V: C8.2 C18.2 DA3.3 DA4.1 DA5.8 DA6.8 DA8.8 DA9.8 DA10.8 MUX1.1 R22.2 R33.2 R76.1 XS4.1
+6V: C11.2 C13.2 C15.2 C17.2 DA1.5 DA4.2 DA4.7 L1.2 R10.2 VD1.2 VD3.2 VD4.2 VD5.2 VD6.2 VD7.2 VD8.2 XS3.18 XS3.24 К1.1 К2.1 К3.1 К4.1 К5.1 К6.1 К7.1
-6V: XS3.14 XS3.20
A_ADC+: DA9.1 R70.2 К3.7
A_ADC-: DA9.7 R71.2 К3.2
ADC1_IN0: MUX1.28
ADC1_IN1: DA3.6
ADC1_IN4: R2.2 R3.1
ADC1_IN5: DA10.1 R77.2
ADC1_IN6: C42.2 R80.1 R81.1
ADC1_IN7: C43.2 R82.1 R83.1
ADC+: DA8.1 R68.2 К5.7
ADC-: DA8.7 R69.2 К5.2
ADC_ACM_IN: XP24.1 К3.6
ADC_ACM_OUT: XP20.1 К3.3
ADCr_ACM_IN: XP29.1 К5.6
ADCr_ACM_OUT: XP26.1 К5.3
ChannelA+: XS3.19 К3.5
ChannelA-: XS3.23 К3.4
ChannelB+: XS3.13 К5.5
ChannelB-: XS3.17 К5.4
GND: C1.1 C2.1 C3.1 C4.1 C5.1 C6.1 C7.1 C8.1 C11.1 C12.1 C13.1 C14.1 C15.1 C16.1 C17.1 C18.1 C19.1 C20.1 C21.1 C22.1 C23.1 C24.1 C25.1 C26.1 C27.1 C28.1 C29.1 C33.1 C34.1 C35.1 C36.1 C37.1 C38.1 C39.2 C40.2 C42.1 C43.1 DA1.6 DA1.10 DA1.15 DA1.16 DA1.17 DA2.6 DA2.10 DA2.15 DA2.16 DA2.17 DA3.1 DA3.2 DA4.3 DA5.4 DA6.4 DA7.15 DA8.4 DA9.4 DA10.4 DD1.3 MUX1.12 R1.1 R3.2 R5.1 R6.1 R8.1 R9.1 R13.2 R15.2 R17.1 R19.2 R21.2 R25.2 R27.2 R29.2 R30.2 R32.1 R35.1 R36.1 R37.1 R38.1 R39.1 R40.1 R41.1 R46.1 R47.1 R48.1 R52.1 R53.1 R54.1 R56.1 R78.1 R81.2 R83.2 VD1.1 VD3.1 VD4.1 VD5.1 VD6.1 VD7.1 VD8.1 VT1.2 VT2.2 VT3.2 VT4.2 VT5.2 VT6.2 VT7.2 XP1.1 XP3.2 XP39.1 XP40.4 XP43.1 XP44.4 XP49.2 XP49.10 XP51.2 XP51.4 XP51.6 XP51.8 XP51.10 XP51.12 XP51.14 XP51.16 XP51.18 XP51.19 XP51.20 XS2.9 XS2.10 XS3.9 XS3.10 XS3.15 XS3.16 XS3.21 XS3.22 XS4.4 XS4.5 XS4.6
GPIO_OUTPUT1: MUX1.17 R38.2
GPIO_OUTPUT2: MUX1.16 R37.2
GPIO_OUTPUT3: MUX1.15 R36.2
GPIO_OUTPUT4: MUX1.14 R35.2
GPIO_OUTPUT5: MUX1.18 R30.1
GPIO_OUTPUT6: R39.2 VT2.1
GPIO_OUTPUT7: R40.2 R41.2 R46.2 R47.2 R48.2 VT3.1 VT4.1 VT5.1 VT6.1 VT7.1
GPIO_OUTPUT8: R1.2 VT1.1
GPS_RX: DA7.13 XP33.1
GPS_TX: DA7.11 XP34.1
Ipower_ACM: R2.1 XP2.1 К1.3
Laser+: XS3.5 К7.5
Laser-: XS3.7 К7.4
Laser_ACM_IN: XP31.1 К7.6
Laser_ACM_OUT: XP28.1 К7.3
Laser_IN: R58.1 R59.1 R65.1 R67.1 R72.1 R73.1 К7.7
Laser_OUT: R72.2 R74.1 К7.2
Meas_+3.3V: C27.2 MUX1.25 R28.2 R29.1
Meas_+4.5V: C23.2 MUX1.23 R20.2 R21.1
Meas_+5.5V: C22.2 MUX1.20 R18.2 R19.1
Meas_+5.5VAA: C26.2 MUX1.24 R26.2 R27.1
Meas_+5V: C20.2 MUX1.21 R14.2 R15.1
Meas_+5V_Power: C25.2 MUX1.22 R24.2 R25.1
Meas_+6V: C19.2 MUX1.19 R12.2 R13.1
Meas_-5.5V: C29.2 DA6.1 MUX1.11 R34.2
Meas_-6V: C24.2 DA5.1 MUX1.26 R23.2
NetC4_2: C4.2 DA1.11
NetC5_2: C5.2 DA2.11
NetC6_2: C6.2 DA1.4
NetC7_2: C7.2 DA2.4
NetC9_1: C9.1 DA1.3
NetC9_2: C9.2 DA1.1 DA1.2 L1.1
NetC10_1: C10.1 DA2.3
NetC10_2: C10.2 DA2.1 DA2.2 L2.1
NetC21_2: C21.2 DA5.3 R17.2 R22.1
NetC28_2: C28.2 DA6.3 R32.2 R33.1
NetC30_1: C30.1 DA7.5
NetC30_2: C30.2 DA7.4
NetC31_1: C31.1 DA7.3
NetC31_2: C31.2 DA7.1
NetC32_1: C32.1 DA7.2
NetC32_2: C32.2 C34.2 DA7.16
NetC33_2: C33.2 DA7.6
NetC37_2: C37.2 DD1.8
NetC38_2: C38.2 DA10.5 R76.2 R78.2
NetDA1_7: DA1.7 R5.2
NetDA1_9: DA1.9 R8.2 R10.1
NetDA2_7: DA2.7 R6.2
NetDA2_9: DA2.9 R9.2 R11.1
NetDA3_5: DA3.5 R7.2 К1.4
NetDA5_2: DA5.2 R16.2 R23.1
NetDA6_2: DA6.2 R31.2 R34.1
NetDA8_2: DA8.2 R64.1 R68.1
NetDA8_3: DA8.3 R58.2 R60.1
NetDA8_5: DA8.5 R62.1
NetDA8_6: DA8.6 R65.2 R69.1
NetDA9_2: DA9.2 R66.1 R70.1
NetDA9_3: DA9.3 R59.2 R61.1
NetDA9_5: DA9.5 R63.1
NetDA9_6: DA9.6 R67.2 R71.1
NetDA10_2: DA10.2 R73.2 R77.1
NetDA10_3: DA10.3 R74.2 R75.1
NetDD1_1: DD1.1 XS4.3
NetDD1_2: DD1.2 XS4.2
NetDD1_4: DD1.4 R56.2
NetDD1_6: DD1.6 R57.1
NetDD1_7: DD1.7 R55.1
NetR4_1: R4.1 VT1.3
NetR4_2: R4.2 VD1.3 К1.8
NetR12_1: R12.1 XP4.1
NetR14_1: R14.1 XP5.1
NetR16_1: R16.1 XP6.1
NetR18_1: R18.1 XP7.1
NetR20_1: R20.1 XP8.1
NetR31_1: R31.1 XP50.1
NetR42_1: R42.1 VT2.3
NetR42_2: R42.2 VD3.3 К2.8
NetR43_1: R43.1 VT3.3
NetR43_2: R43.2 VD4.3 К3.8
NetR44_1: R44.1 VT4.3
NetR44_2: R44.2 VD5.3 К4.8
NetR45_1: R45.1 К4.7
NetR45_2: R45.2 К4.2
NetR49_1: R49.1 VT5.3
NetR49_2: R49.2 VD6.3 К5.8
NetR50_1: R50.1 VT6.3
NetR50_2: R50.2 VD7.3 К6.8
NetR51_1: R51.1 VT7.3
NetR51_2: R51.2 VD8.3 К7.8
NetVD2_1: VD2.1 XP3.1
NetXP38_1: XP38.1 XS2.2
Peltie+: XS3.2 К6.5
Peltie-: XS3.1 К6.4
Peltie_ACM_IN: XP30.1 К6.6
Peltie_ACM_OUT: XP27.1 К6.3
Peltie_IN: C39.1 C41.2 R79.1 R82.2 К6.7
Peltie_OUT: C40.1 C41.1 R79.2 R80.2 К6.2
Power: C1.2 C2.2 C3.2 DA1.12 DA1.13 DA1.14 DA2.12 DA2.13 DA2.14 DA3.4 R7.1 VD2.2
R1_IN: XP23.1 XP51.11 К2.6
R1_OUT: R28.1 XP11.1 XP51.1 XP51.13 К2.5
R22_IN: XP22.1 XP51.15 К2.3
R22_OUT: R24.1 XP9.1 XP51.9 XP51.17 К2.4
RS232_RX: DA7.8 XP36.1
RS232_TX: DA7.10 XP35.1
RX_N: XP42.1 XS2.6
RX_P: XP37.1 XS2.3
SWCLK: XP40.3 XP44.9
SWDIO: XP40.2 XP44.7
TCK: R52.2 XP45.1 XP49.1
TDI: R54.2 XP48.1 XP49.9
TDO: XP47.1 XP49.3
Termistor+: XS3.4 К4.5
Termistor-: XS3.3 К4.4
TMS: R53.2 XP46.1 XP49.5
TR_ACM_IN: XP25.1 К4.6
TR_ACM_OUT: XP21.1 К4.3
TX_P: XP41.1 XS2.1
USART1_RX: DA7.7
USART1_TX: DA7.9
USART2_RX: R57.2
USART2_TX: R55.2
USART6_RX: DA7.14
USART6_TX: DA7.12
Vref: DA10.6 DA10.7 R60.2 R61.2 R62.2 R63.2 R64.2 R66.2 R75.2
pads on no net: DA1.8 DA2.8 DA4.4 DA4.5 DA4.6 DA4.8 DA5.5 DA5.6 DA5.7 DA6.5 DA6.6 DA6.7 MUX1.2 MUX1.3 MUX1.4 MUX1.13 MUX1.27 XP32.1 XP32.2 XP32.3 XP32.4 XP32.5 XP32.6 XP32.7 XP32.8 XP32.9 XP32.10 XP32.11 XP32.12 XP32.13 XP32.14 XP32.15 XP32.16 XP32.17 XP32.18 XP32.19 XP32.20 XP44.2 XP44.3 XP44.5 XP44.6 XP44.8 XP44.10 XP44.11 XP44.12 XP44.13 XP44.14 XP44.15 XP44.16 XP44.17 XP44.18 XP44.19 XP44.20 XP49.7 XP49.8 XS2.4 XS2.5 XS2.7 XS2.8 XS2.11 XS2.12 XS3.6 XS3.8 XS3.11 XS3.12 К1.2 К1.5 К1.6 К1.7 К2.2 К2.7

## Silkscreen, mask and mechanical layers (free items; w line width, h text height)
Mechanical 1:
  circle w0.013: c7.5,40 r1.5
  circle w0.013: c47,72 r1.5
  circle w0.013: c47,8 r1.5
  circle w0.013: c86.5,40 r1.5
  circle w0.013: c16.25,63.422 r1.5
  circle w0.013: c77.6,63.52 r1.5
  circle w0.013: c77.6,16.5 r1.5
  circle w0.013: c16.25,16.5 r1.5
  lines w0.013: 0,0 94,0 94,80 0,80 0,0 ; 10.28,18.875 21.05,18.875 21.05,61.025 10.28,61.025 10.28,18.875 ; 12.55,13 81.45,13 81.45,67 12.55,67 12.55,13 ; 36.6,43.16 51.3,43.16 51.3,50.24 36.6,50.24 36.6,43.16 ; 36.921,11.69 55.071,11.69 55.071,22.46 36.921,22.46 36.921,11.69 ; 58.85,45.125 58.85,66.772 74,66.772 74,57.275 83.27,57.275 83.27,45.125 58.85,45.125 ; 77.38,21.09 81.92,21.09 81.92,33.25 77.38,33.25 77.38,21.09